# KiCad board Marble.kicad_pcb (continued)
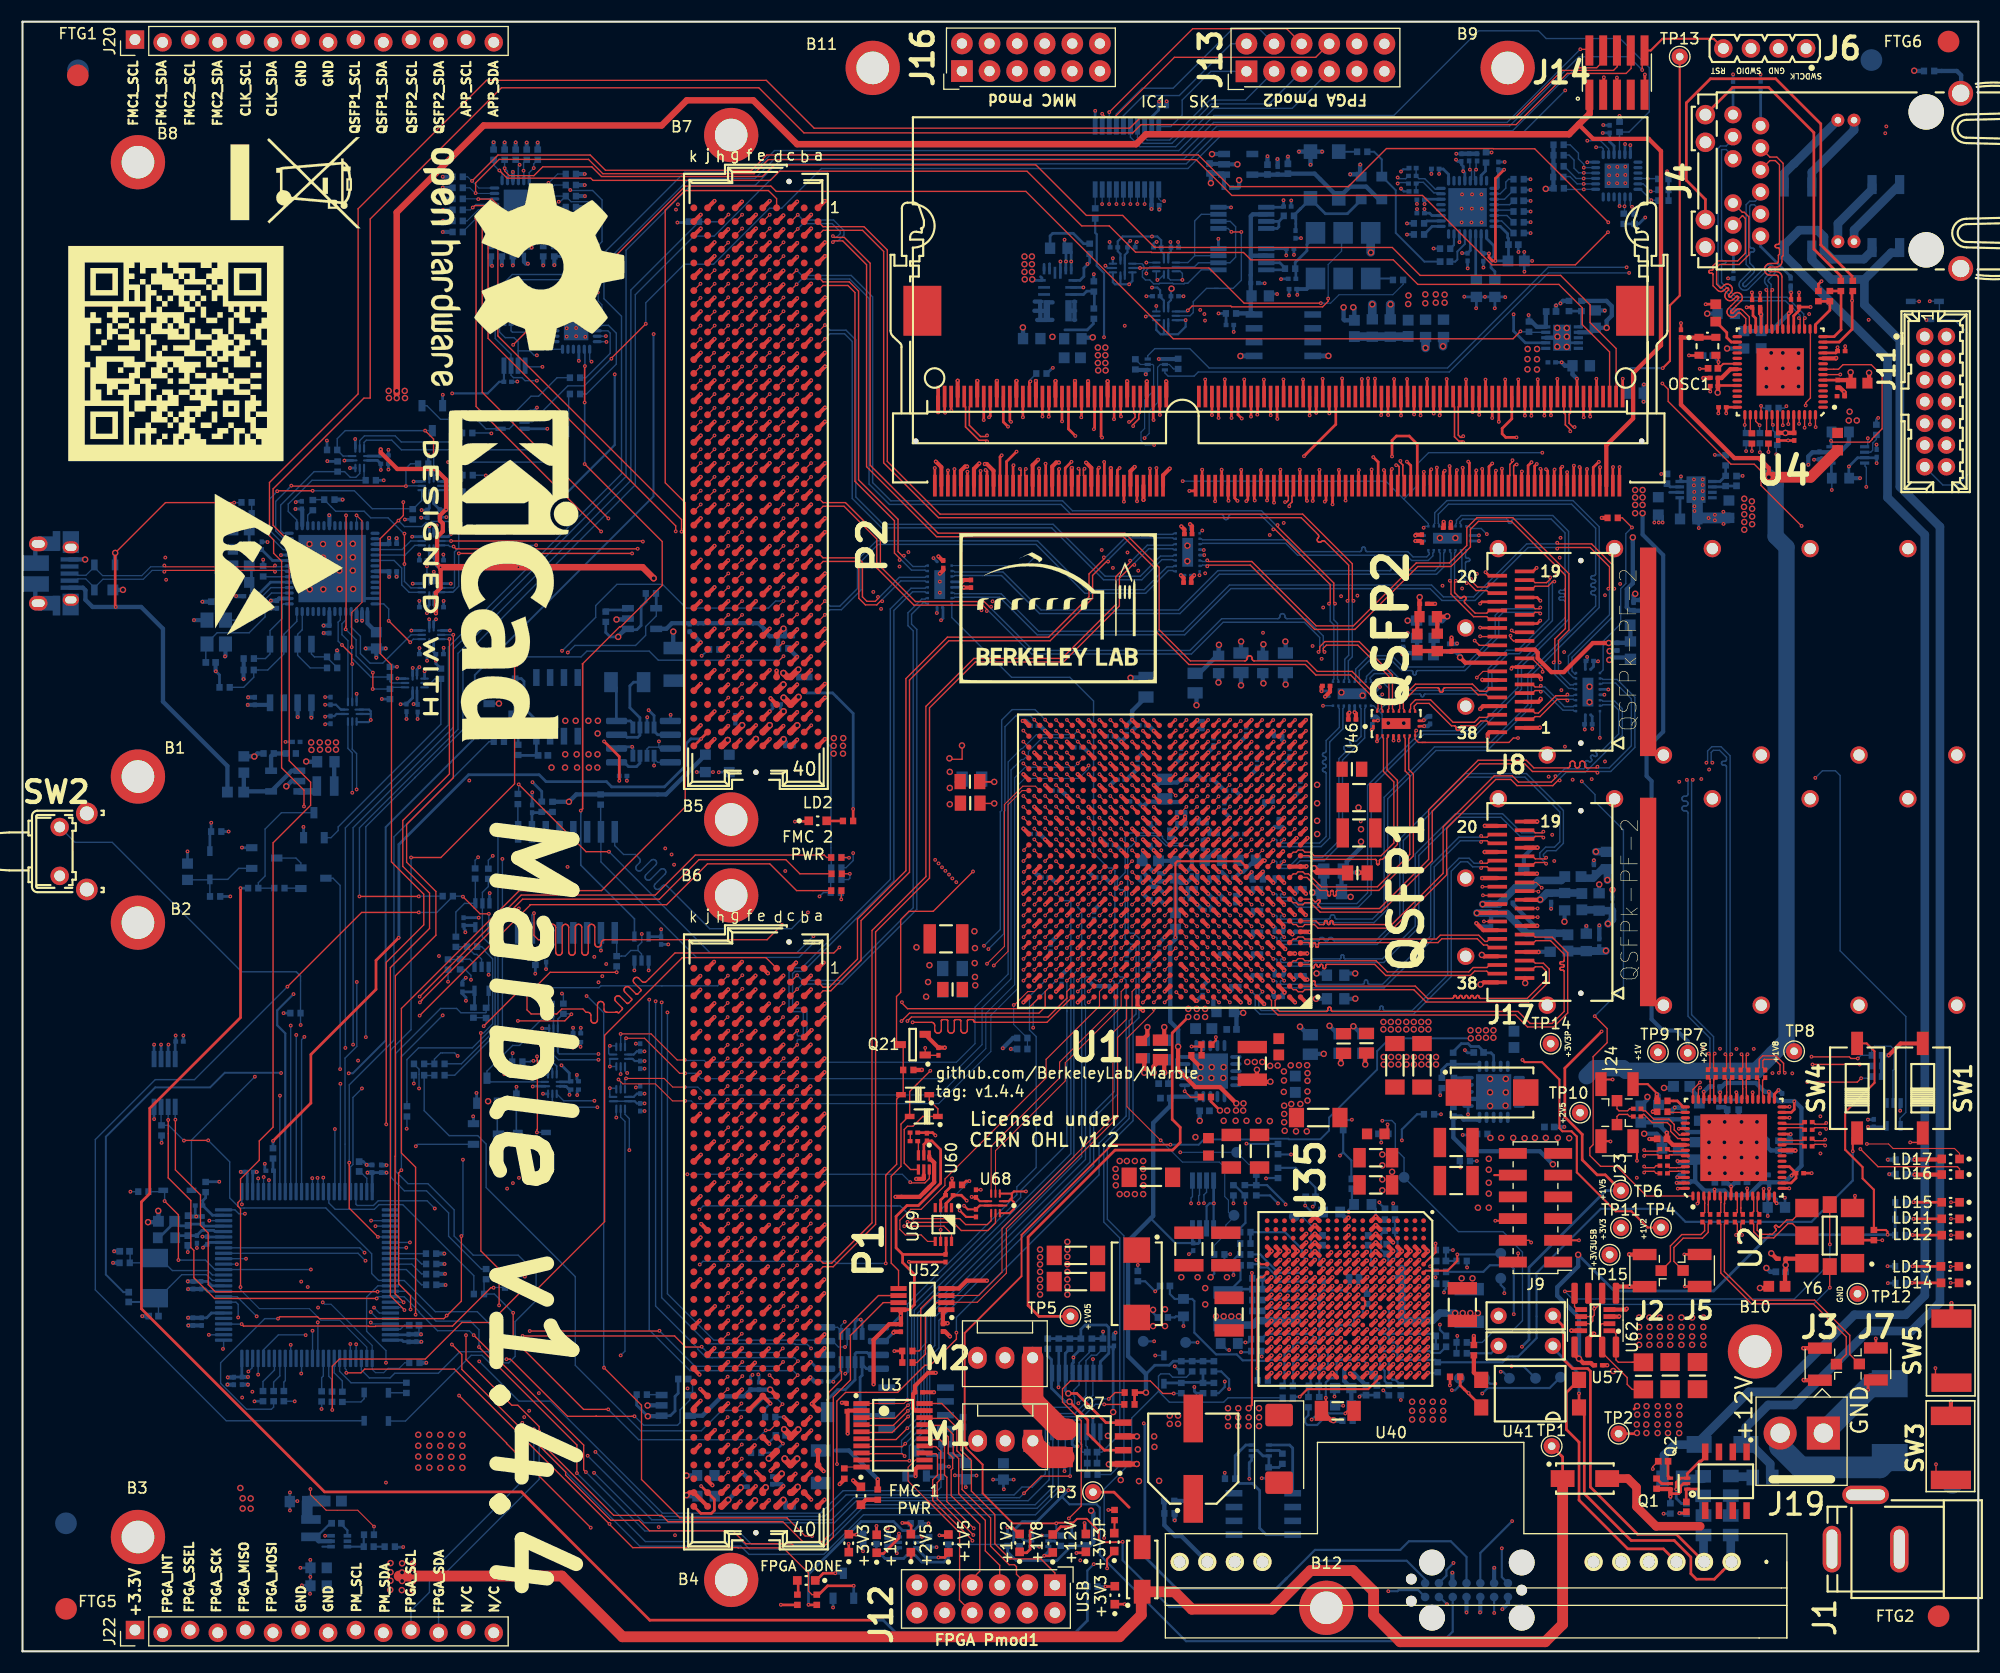
[diagram p0: board, top side]
## Library data of the parts (continued)
U17 U32 U57 = -: Case: SOT23-8; Comment: =Device; Component Kind: Standard; Component Type: Standard; ComponentHeight: 1.45mm; CreateDate: 09/24/13 00:00:00; Footprint Path: PcbLib\ICs And Semiconductors SMD.PcbLib; Footprint Ref: SOT65P280X145-8N; LatestRevisionDate: 09/24/13 00:00:00; Library Name: ICs And Semiconductors SMD; Library Path: SchLib\Analog & Interface.SchLib; License: This work is licensed under the Creative Commons CC-BY-SA 4.0 License. To the extent that circuit schematics that use Licensed Material can be considered to be ‘Adapted Material’, then the copyright holder waives article 3.b of the license with respect to these schematics.; Manufacturer: TEXAS INSTRUMENTS; Mounted: Yes; PackageDescription: SOT, 0.65mm pitch; 8 pin, 1.625mm W X 2.90mm L X 1.45mm H body, IPC Medium Density; Part Description: Zero-Drift, Bi-Directional CURRENT/POWER MONITOR with I2C™ Interface; Pin Count: 8; PressFit: No; SMD: Yes; Sense: No; Socket: No; config: dnf
U18 = -: Manufacturer: DIODES INC
U19 = -: Case: MSOP8; Comment: =Device; Component Kind: Standard; Component Type: Standard; ComponentHeight: 1.1mm; CreateDate: 01/10/11 00:00:00; Device: DAC8550IDGKT; Footprint Path: PcbLib\ICs And Semiconductors SMD.PcbLib; Footprint Ref: SOP65P490X110-8N; LatestRevisionDate: 01/10/11 00:00:00; Library Name: ICs And Semiconductors SMD; Library Path: SchLib\Analog & Interface.SchLib; Library Ref: DAC8550; License: This work is licensed under the Creative Commons CC-BY-SA 4.0 License. To the extent that circuit schematics that use Licensed Material can be considered to be ‘Adapted Material’, then the copyright holder waives article 3.b of the license with respect to these schematics.; Manufacturer: ANALOG DEVICES; Manufacturer Part Number: DAC8550IDGKT; Mounted: Yes; PackageDescription: SOP, 0.65mm, Pitch; 8 Pin, 3.0mm W X 3.0mm L X 1.10mm H Body, IPC Medium Density; Part Description: 2.7V to 5.5V, 250uA, Rail-to-Rail Output 16-Bit nanoDAC; Part Number: DAC8550IDGKT; Pin Count: 8; PressFit: No; SMD: Yes; Sense: No; Socket: No
U20 = -: Case: QFN32; Comment: =Device; Component Kind: Standard; Component Type: Standard; ComponentHeight: 1mm; CreateDate: 08/25/10 00:00:00; Footprint Path: PcbLib\ICs And Semiconductors SMD.PcbLib; Footprint Ref: QFN50P500X500X100-33N-S355; LatestRevisionDate: 11/21/11 00:00:00; Library Name: ICs And Semiconductors SMD; Library Path: SchLib\Logic.SchLib; License: This work is licensed under the Creative Commons CC-BY-SA 4.0 License. To the extent that circuit schematics that use Licensed Material can be considered to be ‘Adapted Material’, then the copyright holder waives article 3.b of the license with respect to these schematics.; Manufacturer: TEXAS INSTRUMENTS; Manufacturer Part Number: CDCM61004RHBT; Mounted: Yes; PackageDescription: QFN, (MO-220-VHHD-4) 0.50mm pitch,square; 8 pin X 8 pin, 5mm X 5mm X 1.00mm H body (w/thermal tab 3.5 X 3.5mm),  IPC Medium Density; Part Description: Four Output, Integrated VCO, Low-Jitter Clock Generator; Pin Count: 33; PressFit: No; SMD: Yes; Sense: No; Socket: No
U21 = -: Case: SOIC8; Comment: =Device; Component Kind: Standard; Component Type: Standard; ComponentHeight: 1.75mm; CreateDate: 11/15/12 00:00:00; Footprint Path: PcbLib\ICs And Semiconductors SMD.PcbLib; Footprint Ref: SOIC127P600X175-8N; LatestRevisionDate: 11/15/12 00:00:00; Library Name: ICs And Semiconductors SMD; Library Path: SchLib\Logic.SchLib; License: This work is licensed under the Creative Commons CC-BY-SA 4.0 License. To the extent that circuit schematics that use Licensed Material can be considered to be ‘Adapted Material’, then the copyright holder waives article 3.b of the license with respect to these schematics.; Manufacturer: ST MICROELECTRONICS; Mounted: Yes; PackageDescription: SOIC 8, Pitch 1.27mm - Body 4x5mm, IPC Medium Density; Part Description: 1Kbit (128 x 8 bit or 64 x 16 bit) MICROWIRE® Serial Access EEPROM; Pin Count: 8; PressFit: No; SMD: Yes; Sense: No; Socket: No
U22 = -: Case: SOT23-5; Comment: =Device; Component Kind: Standard; Component Type: Standard; ComponentHeight: 1.45mm; CreateDate: 08/29/16 00:00:00; Footprint Path: PcbLib\ICs And Semiconductors SMD.PcbLib; Footprint Ref: SOT95P280X145-5N; LatestRevisionDate: 08/29/16 00:00:00; Library Name: ICs And Semiconductors SMD; Library Path: SchLib\Regulators.SchLib; Library Ref: TLV62565; License: This work is licensed under the Creative Commons CC-BY-SA 4.0 License. To the extent that circuit schematics that use Licensed Material can be considered to be ‘Adapted Material’, then the copyright holder waives article 3.b of the license with respect to these schematics.; Manufacturer: TEXAS INSTRUMENTS; Manufacturer Part Number: TLV62565DBVR; Mounted: Yes; PackageDescription: SOT, 0.95mm Pitch; 5 Pin, 1.60mm W X 2.90mm L X 1.45mm H Body, IPC Medium Density; Part Description: 1.5A High Efficiency Step-Down Converter, Adjustable Output Voltage; Pin Count: 5; PressFit: No; SMD: Yes; Sense: No; Socket: No
U23 = -: Case: QFN56; Comment: =Device; Component Kind: Standard; Component Type: Standard; ComponentHeight: 1mm; CreateDate: 10/11/16 00:00:00; Footprint Path: PcbLib\ICs And Semiconductors SMD.PcbLib; Footprint Ref: QFN50P800X800X100-57N-S620; LatestRevisionDate: 10/11/16 00:00:00; Library Name: ICs And Semiconductors SMD; Library Path: SchLib\Analog & Interface.SchLib; License: This work is licensed under the Creative Commons CC-BY-SA 4.0 License. To the extent that circuit schematics that use Licensed Material can be considered to be ‘Adapted Material’, then the copyright holder waives article 3.b of the license with respect to these schematics.; Manufacturer: FUTURE TECHNOLOGY DEVICES INTERNATIONAL (FTDI); Manufacturer Part Number: FT4232H-56Q-REEL; Mounted: Yes; PackageDescription: QFN, 0.50mm Pitch, Square; 56 Pin, 8.00mm L X 8.00mm W X 1.00mm H body (6.1mm X 6.1mm Thermal tab), IPC Medium Density; Part Description: Quad High Speed USB to Multipurpose UART/MPSSE IC; Pin Count: 57; PressFit: No; SMD: Yes; Sense: No; Socket: No
U27 = -: Case: SSOP16; Comment: =Device; Component Kind: Standard; Component Type: Standard; ComponentHeight: 1.75mm; CreateDate: 08/15/12 00:00:00; Footprint Path: PcbLib\ICs And Semiconductors SMD.PcbLib; Footprint Ref: SOP63P600X175-16N; LatestRevisionDate: 08/15/12 00:00:00; Library Name: ICs And Semiconductors SMD; Library Path: SchLib\Analog & Interface.SchLib; License: This work is licensed under the Creative Commons CC-BY-SA 4.0 License. To the extent that circuit schematics that use Licensed Material can be considered to be ‘Adapted Material’, then the copyright holder waives article 3.b of the license with respect to these schematics.; Manufacturer: MAXIM; Mounted: Yes; PackageDescription: SOP, 0.635mm pitch; 16 pin, 3.9mm W X 4.895mm L X 1.75mm H Body, IPC Medium Density; Part Description: 2-Channel Temperature Monitor with Dual, Automatic, PWM Fan-Speed Controller; Pin Count: 16; PressFit: No; SMD: Yes; Sense: No; Socket: No
U30 = -: Manufacturer: INFINEON; Manufacturer Part Number: S25FL128SAGMFBR00
U31 = -: Manufacturer: TEXAS INSTRUMENTS; Manufacturer Part Number: TPS51200DRCR
U34 U39 = -: Case: QFN24; Comment: =Device; Component Kind: Standard; Component Type: Standard; ComponentHeight: 0.8mm; CreateDate: 07/24/15 00:00:00; Footprint Path: PcbLib\ICs And Semiconductors SMD.PcbLib; Footprint Ref: QFN50P400X400X80-25N-S225; LatestRevisionDate: 07/24/15 00:00:00; Library Name: ICs And Semiconductors SMD; Library Path: SchLib\Analog & Interface.SchLib; License: This work is licensed under the Creative Commons CC-BY-SA 4.0 License. To the extent that circuit schematics that use Licensed Material can be considered to be ‘Adapted Material’, then the copyright holder waives article 3.b of the license with respect to these schematics.; Manufacturer: NXP SEMICONDUCTORS; Mounted: Yes; PackageDescription: QFN,0.50mm pitch,square;6 pin X 6 pin,4.10mm X 4.10mm body (w/thermal tab 2.25 X 2.25 mm), IPC Medium Density; Part Description: Low-Voltage 16-Bit I2C-bus I/O Port With Interrupt and Weak Pull-Up; Pin Count: 25; PressFit: No; SMD: Yes; Sense: No; Socket: No
U35 U47 = -: Manufacturer: ANALOG DEVICES
U36 U37 = -: Case: QFN20; Component Kind: Standard; Component Type: Standard; ComponentHeight: 1mm; CreateDate: 02/02/10 00:00:00; Footprint Path: PcbLib\ICs And Semiconductors SMD.PcbLib; Footprint Ref: QFN65P500X500X100-21N-S325; LatestRevisionDate: 02/02/10 00:00:00; Library Name: ICs And Semiconductors.DbLib; Library Path: SchLib\Regulators.SchLib; Library Ref: TPS74401RGW; License: This work is licensed under the Creative Commons CC-BY-SA 4.0 License. To the extent that circuit schematics that use Licensed Material can be considered to be ‘Adapted Material’, then the copyright holder waives article 3.b of the license with respect to these schematics.; Manufacturer: TEXAS INSTRUMENTS; Mounted: Yes; PackageDescription: QFN, 0.65mm pitch,square; 20 pin, 5mm X 5mm X 1mm H body (w/thermal tab 3.25 X 3.25mm),  IPC Medium Density; Part Description: Single Output LDO, 3.0A, Adj.(0.8 to 3.3V), Fast Transient Response, Programmable SoftStart; Pin Count: 21; PressFit: No; SMD: Yes; Sense: No; Socket: No
U40 = -: Description: Power-over-Ethernet Plus Module; Height: 14; Manufacturer: Silvertel; config: dnf
U41 = -: Case: SOIC4; Comment: =Device; Component Kind: Standard; Component Type: Standard; ComponentHeight: 4.6mm; CreateDate: 07/21/14 00:00:00; Footprint Path: PcbLib\ICs And Semiconductors SMD.PcbLib; Footprint Ref: FAIRCHILD_FOD817DSD; LatestRevisionDate: 07/21/14 00:00:00; Library Name: ICs And Semiconductors SMD; Library Path: SchLib\Optocouplers.SchLib; Library Ref: Optocoupler Type7; License: This work is licensed under the Creative Commons CC-BY-SA 4.0 License. To the extent that circuit schematics that use Licensed Material can be considered to be ‘Adapted Material’, then the copyright holder waives article 3.b of the license with respect to these schematics.; Manufacturer: FAIRCHILD SEMICONDUCTOR; Manufacturer Part Number: FOD817DSD or FOD817B3SD; Mounted: Yes; PackageDescription: SOIC, 2.54mm Pitch, 4 Pin, Body 6.5mm W X 4.6mm L X 4.6mm H; Part Description: 4-Pin High Operating Temperature Phototransistor Optocoupler; Pin Count: 4; PressFit: No; SMD: Yes; Sense: No; Socket: No
U43 U55 = -: Case: SOT-23-5; Manufacturer: MICREL SEMICONDUCTOR; Manufacturer Part Number: MIC2090-1YM5
U44-U46 U48-U50 = -: Case: TQFN20; Component Kind: Standard; Component Type: Standard; ComponentHeight: 1mm; CreateDate: 08/09/17 00:00:00; Footprint Path: PcbLib\ICs And Semiconductors SMD.PcbLib; Footprint Ref: PERICOM_ZBS20; LatestRevisionDate: 08/09/17 00:00:00; Library Name: ICs And Semiconductors.DbLib; Library Path: SchLib\Analog & Interface.SchLib; License: This work is licensed under the Creative Commons CC-BY-SA 4.0 License. To the extent that circuit schematics that use Licensed Material can be considered to be ‘Adapted Material’, then the copyright holder waives article 3.b of the license with respect to these schematics.; Manufacturer: PERICOM; Mounted: Yes; PackageDescription: PERICOM TQFN Code ZBS20, 0.50mm Pitch, Rect.; 20 Pin, 2.50mm L X 4.50mm W X 1.00mm H Body (W/Thermal Tab 1.2mm X 3.2mm); Part Description: 3.3V, 1-12Gbps 1-Lane 2:1 Mux/De-Mux Switch; Pin Count: 21; PressFit: No; SMD: Yes; Sense: Yes; Sense Comment: Solder Paste Deposition Limitation; Socket: No; Status: Not Recommended; Status Comment: Sensitive (See Sensitive Field)
U52 = -: Case: TSSOP8; Component Kind: Standard; Component Type: Standard; ComponentHeight: 1.1mm; CreateDate: 07/07/14 00:00:00; Footprint Path: PcbLib\ICs And Semiconductors SMD.PcbLib; Footprint Ref: SOP65P490X110-8N; LatestRevisionDate: 07/07/14 00:00:00; Library Name: ICs And Semiconductors.DbLib; Library Path: SchLib\Analog & Interface.SchLib; Library Ref: TCA9517; License: This work is licensed under the Creative Commons CC-BY-SA 4.0 License. To the extent that circuit schematics that use Licensed Material can be considered to be ‘Adapted Material’, then the copyright holder waives article 3.b of the license with respect to these schematics.; Manufacturer: NXP USA Inc.; Manufacturer Part Number: PCA9509DP,118; Mounted: Yes; PackageDescription: IC REDRIVER I2C 2CH 8TSSOP; Part Description: Level-Translating I2C Bus Repeater; Pin Count: 8; PressFit: No; SMD: Yes; Sense: No; Socket: No
U54 = -: Manufacturer: ST MICROELECTRONICS; Manufacturer Part Number: STM32F207VCT6
U56 = -: Case: SOT353; Component Kind: Standard; Component Type: Standard; ComponentHeight: 1.1mm; CreateDate: 03/03/10 00:00:00; Footprint Path: PcbLib\ICs And Semiconductors SMD.PcbLib; Footprint Ref: SOT65P212X110-5N; LatestRevisionDate: 03/03/10 00:00:00; Library Name: ICs And Semiconductors.DbLib; Library Path: SchLib\Standard Logic.SchLib; Library Ref: 741G04; License: This work is licensed under the Creative Commons CC-BY-SA 4.0 License. To the extent that circuit schematics that use Licensed Material can be considered to be ‘Adapted Material’, then the copyright holder waives article 3.b of the license with respect to these schematics.; Manufacturer: NEXPERIA; Manufacturer Part Number: 74AHC1G04GW-Q100H; Mounted: Yes; PackageDescription: SOT353, SOT, 0.65mm Pitch, 5 pin, 1.25mm W X 2.05mm L X 1.10mm H, IPC Medium Density; Part Description: Single Inverter Buffer; Pin Count: 3; PressFit: No; SMD: Yes; Sense: No; Socket: No
U58 = -: Description: Switching Voltage Regulators 6V, 1.2 MHz, 3A Sync StepDown Convtr; Height: 1.6; Manufacturer: Monolithic Power Systems (MPS); Manufacturer Part Number: MPM3830GQVP; Mouser Part Number: 946-MPM3830GQV-P; Mouser Price/Stock: https://www.mouser.com/Search/Refine.aspx?Keyword=946-MPM3830GQV-P
U59 = -: Case: TSSOP8; Component Kind: Standard; Component Type: Standard; ComponentHeight: 1.1mm; CreateDate: 07/07/14 00:00:00; Footprint Path: PcbLib\ICs And Semiconductors SMD.PcbLib; Footprint Ref: SOP65P490X110-8N; LatestRevisionDate: 07/07/14 00:00:00; Library Name: ICs And Semiconductors.DbLib; Library Path: SchLib\Analog & Interface.SchLib; Library Ref: TCA9517; License: This work is licensed under the Creative Commons CC-BY-SA 4.0 License. To the extent that circuit schematics that use Licensed Material can be considered to be ‘Adapted Material’, then the copyright holder waives article 3.b of the license with respect to these schematics.; Manufacturer: TEXAS INSTRUMENTS; Mounted: Yes; PackageDescription: SOP, 0.65mm Pitch; 8 Pin, 3.0mm W X 3.0mm L X 1.10mm H Body, IPC Medium Density; Part Description: Level-Translating I2C Bus Repeater; Pin Count: 8; PressFit: No; SMD: Yes; Sense: No; Socket: No
U60 = -: Description: Supervisory Circuits Automotive high-accuracy window supervisor with reset time delay 6-WSON -40 to 125; Height: 0.8; Manufacturer: TEXAS INSTRUMENTS
Y1 = -: Comment: =Value; Component Kind: Standard; Component Type: Standard; ComponentHeight: 1.1mm; CreateDate: 02/08/10 00:00:00; Footprint Path: PcbLib\ICs And Semiconductors SMD.PcbLib; Footprint Ref: OSC_RAKON_IVT3200C; LatestRevisionDate: 02/08/10 00:00:00; Library Name: ICs And Semiconductors SMD; Library Path: SchLib\Crystals & Oscillators.SchLib; Library Ref: Oscillator 1VCO 3GND 4OUT 6VCC; License: This work is licensed under the Creative Commons CC-BY-SA 4.0 License. To the extent that circuit schematics that use Licensed Material can be considered to be ‘Adapted Material’, then the copyright holder waives article 3.b of the license with respect to these schematics.; Manufacturer: TAITIEN; Manufacturer Part Number: TXEAADSANF-25.000000; Mounted: Yes; PackageDescription: Oscillator IVT3200C Serie, corner concave; 4 pin, 2.50mm L X 3.2mm W X 1.1mm H; Part Description: 11pF 3.3V ±1ppm Surface Mount TCXO Voltage Controlled Oscillator (IT3200C Series); Part Number: OSC_25MHZ_RAKON_IVT3205CR or TXEAADSANF-25.000000; Pin Count: 4; PressFit: No; SMD: Yes; Sense: No; Socket: No; Val: 25MHz; ~: 25MHz
Y3 = -: Comment: =Value; Component Kind: Standard; Component Type: Standard; ComponentHeight: 1.7mm; CreateDate: 01/24/11 00:00:00; Footprint Path: PcbLib\ICs And Semiconductors SMD.PcbLib; Footprint Ref: OSC_IQD_CFPV-45; LatestRevisionDate: 11/03/16 00:00:00; Library Name: ICs And Semiconductors SMD; Library Path: SchLib\Crystals & Oscillators.SchLib; Library Ref: Oscillator IQD_CFPV-45; License: This work is licensed under the Creative Commons CC-BY-SA 4.0 License. To the extent that circuit schematics that use Licensed Material can be considered to be ‘Adapted Material’, then the copyright holder waives article 3.b of the license with respect to these schematics.; Manufacturer: IQD FREQUENCY PRODUCTS; Manufacturer Part Number: ECS-VXO-73-20.00-TR; Mounted: Yes; PackageDescription: Oscillator, Side Concave, 2.54mm Pitch, 6 Pins, 5.00mm L X 7.00mm W X 1.70mm H, CFPV-45 Series; Part Description: 3.3V, ±100ppm, 15pF, 0..70°C, HCMOS Tri-State Surface Mount, VCXO Voltage Controlled Oscillator (CFPV-45 Series); Part Number: OSC_20MHZ_IQD_LFVCXO026156 or KV7050B20.0000C3GD00; Pin Count: 6; PressFit: No; SMD: Yes; Sense: No; Socket: No; Val: 20MHz; ~: 20MHz
Y4 = -: Comment: =Value; Component Kind: Standard; Component Type: Standard; ComponentHeight: 0.8mm; CreateDate: 06/19/12 00:00:00; Footprint Path: PcbLib\ICs And Semiconductors SMD.PcbLib; Footprint Ref: XTAL_TXC_7M; LatestRevisionDate: 06/19/12 00:00:00; Library Name: ICs And Semiconductors SMD; Library Path: SchLib\Crystals & Oscillators.SchLib; Library Ref: Quartz Crystal 1X 2GND 3X 4GND; License: This work is licensed under the Creative Commons CC-BY-SA 4.0 License. To the extent that circuit schematics that use Licensed Material can be considered to be ‘Adapted Material’, then the copyright holder waives article 3.b of the license with respect to these schematics.; Manufacturer: TXC CORPORATION; Manufacturer Part Number: 7M-12.000MAAJ-T; Mounted: Yes; PackageDescription: 4 Pins, 2.5x3.2mm, SMD Sealing Crystal, 7M Serie; Part Description: ±30ppm 18pF -20°C to +70°C  4 Pins, 3.2x2.5X0.8mm, SMD Sealing Crystal, 7M Series; Pin Count: 4; PressFit: No; SMD: Yes; Sense: No; Socket: No; Val: 12MHz; ~: 12MHz
Y5 = -: Comment: =Value; Component Kind: Standard; Component Type: Standard; ComponentHeight: 1.2mm; CreateDate: 10/09/14 00:00:00; Footprint Path: PcbLib\ICs And Semiconductors SMD.PcbLib; Footprint Ref: XTAL_TXC_7A; LatestRevisionDate: 11/12/14 00:00:00; Library Name: ICs And Semiconductors SMD; Library Path: SchLib\Crystals & Oscillators.SchLib; Library Ref: Quartz Crystal; License: This work is licensed under the Creative Commons CC-BY-SA 4.0 License. To the extent that circuit schematics that use Licensed Material can be considered to be ‘Adapted Material’, then the copyright holder waives article 3.b of the license with respect to these schematics.; Manufacturer: TXC CORPORATION; Manufacturer Part Number: 7A-8.000MAAE-T; Mounted: Yes; PackageDescription: 2 Pins, 3.2x5mm, SMD Glass Seam Sealing Crystal, 7A Serie; Part Description: Tolerance: ±30ppm, Stability: ±30ppm, -20°C to +70°C, 12pF, SMD Glass Seam Sealing Crystal, 7A Series; Pin Count: 2; PressFit: No; SMD: Yes; Sense: No; Socket: No; Val: 8MHz; config: dnf; ~: 8MHz
Y6 = -: Comment: 10-280MHz; Component Kind: Standard; Component Type: Standard; ComponentHeight: 1.85mm; CreateDate: 02/09/10 00:00:00; Footprint Path: PcbLib\ICs And Semiconductors SMD.PcbLib; Footprint Ref: OSC_SILICON-LAB_SI570; LatestRevisionDate: 09/24/13 00:00:00; Library Name: ICs And Semiconductors.DbLib; Library Path: SchLib\Crystals & Oscillators.SchLib; Library Ref: Oscillator SILICON-LAB_Si570; License: This work is licensed under the Creative Commons CC-BY-SA 4.0 License. To the extent that circuit schematics that use Licensed Material can be considered to be ‘Adapted Material’, then the copyright holder waives article 3.b of the license with respect to these schematics.; Manufacturer: SILICON LABS; Manufacturer Part Number: 570NBB001808DGR; Mounted: Yes; PackageDescription: Oscillator Si570 Serie, 8 pins, 5x7mm; Part Description: 10-280MHz 3.3V ±20ppm LVDS Any-Rate I2C Programmable XO Oscillator Si570 Series; Pin Count: 8; PressFit: No; SMD: Yes; Sense: No; Socket: No; Val: 10-280MHz

## Footprints (pads in the part's own frame, mm; a bottom-side part is the same pattern mirrored in y, then rotated)
641119-2
  rect 3.048x3.048 hole 1.778: 1(-1.981,-0.75)
  round 3.048 hole 1.778: 2(2,-0.75)
AG5300
  round 1.68 hole 1.12: 1(-25.02,2) 2(-22.48,2) 3(-19.94,2) 4(-17.4,2) 5(-14.86,2) 6(-12.32,2) 7(18.16,2) 8(20.7,2) 9(23.24,2) 10(25.78,2)
BELFUSE_0826-1X1T-80-F
  round 3.25 hole 3.25 unplated: (-6.35,16.51) (6.35,16.51)
  round 1.6 hole 0.9: 1(-5.075,1.27) 2(-3.045,1.27) 3(-1.015,1.27) 4(1.016,1.27) 5(3.048,1.27) 6(5.08,1.27) 7(-6.095,-1.27) 8(-4.065,-1.27) 9(-2.035,-1.27) 10(2.032,-1.27) 11(4.064,-1.27) 12(6.096,-1.27)
  round 1.2 hole 0.6: 13(-5.59,8.38) 14(5.59,8.38) 15(-5.59,9.87) 16(5.59,9.87)
  round 1.8 hole 1.1: 17(-6.096,-3.81) 18(-3.556,-3.81) 19(3.556,-3.81) 20(6.096,-3.81)
  round 2.3 hole 1.6: 21(-8.065,19.685) 22(8.065,19.685)
BGA361C80P19X19_1600X1600X491
  round 0.45 smd: A1(-7.2,7.2) A2(-6.4,7.2) A3(-5.6,7.2) A4(-4.8,7.2) A5(-4,7.2) A6(-3.2,7.2) A7(-2.4,7.2) A8(-1.6,7.2) A9(-0.8,7.2) A10(0,7.2) A11(0.8,7.2) A12(1.6,7.2) A13(2.4,7.2) A14(3.2,7.2) A15(4,7.2) A16(4.8,7.2) A17(5.6,7.2) A18(6.4,7.2) A19(7.2,7.2) B1(-7.2,6.4) B2(-6.4,6.4) B3(-5.6,6.4) B4(-4.8,6.4) B5(-4,6.4) B6(-3.2,6.4) B7(-2.4,6.4) B8(-1.6,6.4) B9(-0.8,6.4) B10(0,6.4) B11(0.8,6.4) B12(1.6,6.4) B13(2.4,6.4) B14(3.2,6.4) B15(4,6.4) B16(4.8,6.4) B17(5.6,6.4) B18(6.4,6.4) B19(7.2,6.4) C1(-7.2,5.6) C2(-6.4,5.6) C3(-5.6,5.6) C4(-4.8,5.6) C5(-4,5.6) C6(-3.2,5.6) C7(-2.4,5.6) C8(-1.6,5.6) C9(-0.8,5.6) C10(0,5.6) C11(0.8,5.6) C12(1.6,5.6) C13(2.4,5.6) C14(3.2,5.6) C15(4,5.6) C16(4.8,5.6) C17(5.6,5.6) C18(6.4,5.6) C19(7.2,5.6) D1(-7.2,4.8) D2(-6.4,4.8) D3(-5.6,4.8) D4(-4.8,4.8) D5(-4,4.8) D6(-3.2,4.8) D7(-2.4,4.8) D8(-1.6,4.8) D9(-0.8,4.8) D10(0,4.8) D11(0.8,4.8) D12(1.6,4.8) D13(2.4,4.8) D14(3.2,4.8) D15(4,4.8) D16(4.8,4.8) D17(5.6,4.8) D18(6.4,4.8) D19(7.2,4.8) E1(-7.2,4) E2(-6.4,4) E3(-5.6,4) E4(-4.8,4) E5(-4,4) E6(-3.2,4) E7(-2.4,4) E8(-1.6,4) E9(-0.8,4) E10(0,4) E11(0.8,4) E12(1.6,4) E13(2.4,4) E14(3.2,4) E15(4,4) E16(4.8,4) E17(5.6,4) E18(6.4,4) E19(7.2,4) F1(-7.2,3.2) F2(-6.4,3.2) F3(-5.6,3.2) F4(-4.8,3.2) F5(-4,3.2) F6(-3.2,3.2) F7(-2.4,3.2) F8(-1.6,3.2) F9(-0.8,3.2) F10(0,3.2) F11(0.8,3.2) F12(1.6,3.2) F13(2.4,3.2) F14(3.2,3.2) F15(4,3.2) F16(4.8,3.2) F17(5.6,3.2) F18(6.4,3.2) F19(7.2,3.2) G1(-7.2,2.4) G2(-6.4,2.4) G3(-5.6,2.4) G4(-4.8,2.4) G5(-4,2.4) G6(-3.2,2.4) G7(-2.4,2.4) G8(-1.6,2.4) G9(-0.8,2.4) G10(0,2.4) G11(0.8,2.4) G12(1.6,2.4) G13(2.4,2.4) G14(3.2,2.4) G15(4,2.4) G16(4.8,2.4) G17(5.6,2.4) G18(6.4,2.4) G19(7.2,2.4) H1(-7.2,1.6) H2(-6.4,1.6) H3(-5.6,1.6) H4(-4.8,1.6) H5(-4,1.6) H6(-3.2,1.6) H7(-2.4,1.6) H8(-1.6,1.6) H9(-0.8,1.6) H10(0,1.6) H11(0.8,1.6) H12(1.6,1.6) H13(2.4,1.6) H14(3.2,1.6) H15(4,1.6) H16(4.8,1.6) H17(5.6,1.6) H18(6.4,1.6) H19(7.2,1.6) J1(-7.2,0.8) J2(-6.4,0.8) J3(-5.6,0.8) J4(-4.8,0.8) J5(-4,0.8) J6(-3.2,0.8) J7(-2.4,0.8) J8(-1.6,0.8) J9(-0.8,0.8) J10(0,0.8) J11(0.8,0.8) J12(1.6,0.8) J13(2.4,0.8) J14(3.2,0.8) J15(4,0.8) J16(4.8,0.8) J17(5.6,0.8) J18(6.4,0.8) J19(7.2,0.8) K1(-7.2,0) K2(-6.4,0) K3(-5.6,0) K4(-4.8,0) K5(-4,0) K6(-3.2,0) K7(-2.4,0) K8(-1.6,0) K9(-0.8,0) K10(0,0) K11(0.8,0) K12(1.6,0) K13(2.4,0) K14(3.2,0) K15(4,0) K16(4.8,0) K17(5.6,0) K18(6.4,0) K19(7.2,0) L1(-7.2,-0.8) L2(-6.4,-0.8) L3(-5.6,-0.8) L4(-4.8,-0.8) L5(-4,-0.8) L6(-3.2,-0.8) L7(-2.4,-0.8) L8(-1.6,-0.8) L9(-0.8,-0.8) L10(0,-0.8) L11(0.8,-0.8) L12(1.6,-0.8) L13(2.4,-0.8) L14(3.2,-0.8) L15(4,-0.8) L16(4.8,-0.8) L17(5.6,-0.8) L18(6.4,-0.8) L19(7.2,-0.8) M1(-7.2,-1.6) M2(-6.4,-1.6) M3(-5.6,-1.6) M4(-4.8,-1.6) M5(-4,-1.6) M6(-3.2,-1.6) M7(-2.4,-1.6) M8(-1.6,-1.6) M9(-0.8,-1.6) M10(0,-1.6) M11(0.8,-1.6) M12(1.6,-1.6) M13(2.4,-1.6) M14(3.2,-1.6) M15(4,-1.6) M16(4.8,-1.6) M17(5.6,-1.6) M18(6.4,-1.6) M19(7.2,-1.6) N1(-7.2,-2.4) N2(-6.4,-2.4) N3(-5.6,-2.4) N4(-4.8,-2.4) N5(-4,-2.4) N6(-3.2,-2.4) N7(-2.4,-2.4) N8(-1.6,-2.4) N9(-0.8,-2.4) N10(0,-2.4) N11(0.8,-2.4) N12(1.6,-2.4) N13(2.4,-2.4) N14(3.2,-2.4) N15(4,-2.4) N16(4.8,-2.4) N17(5.6,-2.4) N18(6.4,-2.4) N19(7.2,-2.4) P1(-7.2,-3.2) P2(-6.4,-3.2) P3(-5.6,-3.2) P4(-4.8,-3.2) P5(-4,-3.2) P6(-3.2,-3.2) P7(-2.4,-3.2) P8(-1.6,-3.2) P9(-0.8,-3.2) P10(0,-3.2) P11(0.8,-3.2) P12(1.6,-3.2) P13(2.4,-3.2) P14(3.2,-3.2) P15(4,-3.2) P16(4.8,-3.2) P17(5.6,-3.2) P18(6.4,-3.2) P19(7.2,-3.2) R1(-7.2,-4) R2(-6.4,-4) R3(-5.6,-4) R4(-4.8,-4) R5(-4,-4) R6(-3.2,-4) R7(-2.4,-4) R8(-1.6,-4) R9(-0.8,-4) R10(0,-4) R11(0.8,-4) R12(1.6,-4) R13(2.4,-4) R14(3.2,-4) R15(4,-4) R16(4.8,-4) R17(5.6,-4) R18(6.4,-4) R19(7.2,-4) T1(-7.2,-4.8) T2(-6.4,-4.8) T3(-5.6,-4.8) T4(-4.8,-4.8) T5(-4,-4.8) T6(-3.2,-4.8) T7(-2.4,-4.8) T8(-1.6,-4.8) T9(-0.8,-4.8) T10(0,-4.8) T11(0.8,-4.8) T12(1.6,-4.8) T13(2.4,-4.8) T14(3.2,-4.8) T15(4,-4.8) T16(4.8,-4.8) T17(5.6,-4.8) T18(6.4,-4.8) T19(7.2,-4.8) U1(-7.2,-5.6) U2(-6.4,-5.6) U3(-5.6,-5.6) U4(-4.8,-5.6) U5(-4,-5.6) U6(-3.2,-5.6) U7(-2.4,-5.6) U8(-1.6,-5.6) U9(-0.8,-5.6) U10(0,-5.6) U11(0.8,-5.6) U12(1.6,-5.6) U13(2.4,-5.6) U14(3.2,-5.6) U15(4,-5.6) U16(4.8,-5.6) U17(5.6,-5.6) U18(6.4,-5.6) U19(7.2,-5.6) V1(-7.2,-6.4) V2(-6.4,-6.4) V3(-5.6,-6.4) V4(-4.8,-6.4) V5(-4,-6.4) V6(-3.2,-6.4) V7(-2.4,-6.4) V8(-1.6,-6.4) V9(-0.8,-6.4) V10(0,-6.4) V11(0.8,-6.4) V12(1.6,-6.4) V13(2.4,-6.4) V14(3.2,-6.4) V15(4,-6.4) V16(4.8,-6.4) V17(5.6,-6.4) V18(6.4,-6.4) V19(7.2,-6.4) W1(-7.2,-7.2) W2(-6.4,-7.2) W3(-5.6,-7.2) W4(-4.8,-7.2) W5(-4,-7.2) W6(-3.2,-7.2) W7(-2.4,-7.2) W8(-1.6,-7.2) W9(-0.8,-7.2) W10(0,-7.2) W11(0.8,-7.2) W12(1.6,-7.2) W13(2.4,-7.2) W14(3.2,-7.2) W15(4,-7.2) W16(4.8,-7.2) W17(5.6,-7.2) W18(6.4,-7.2) W19(7.2,-7.2)
